# EAGLE board working (EAGLE 9.6.2), part 5 of 28 (continued)
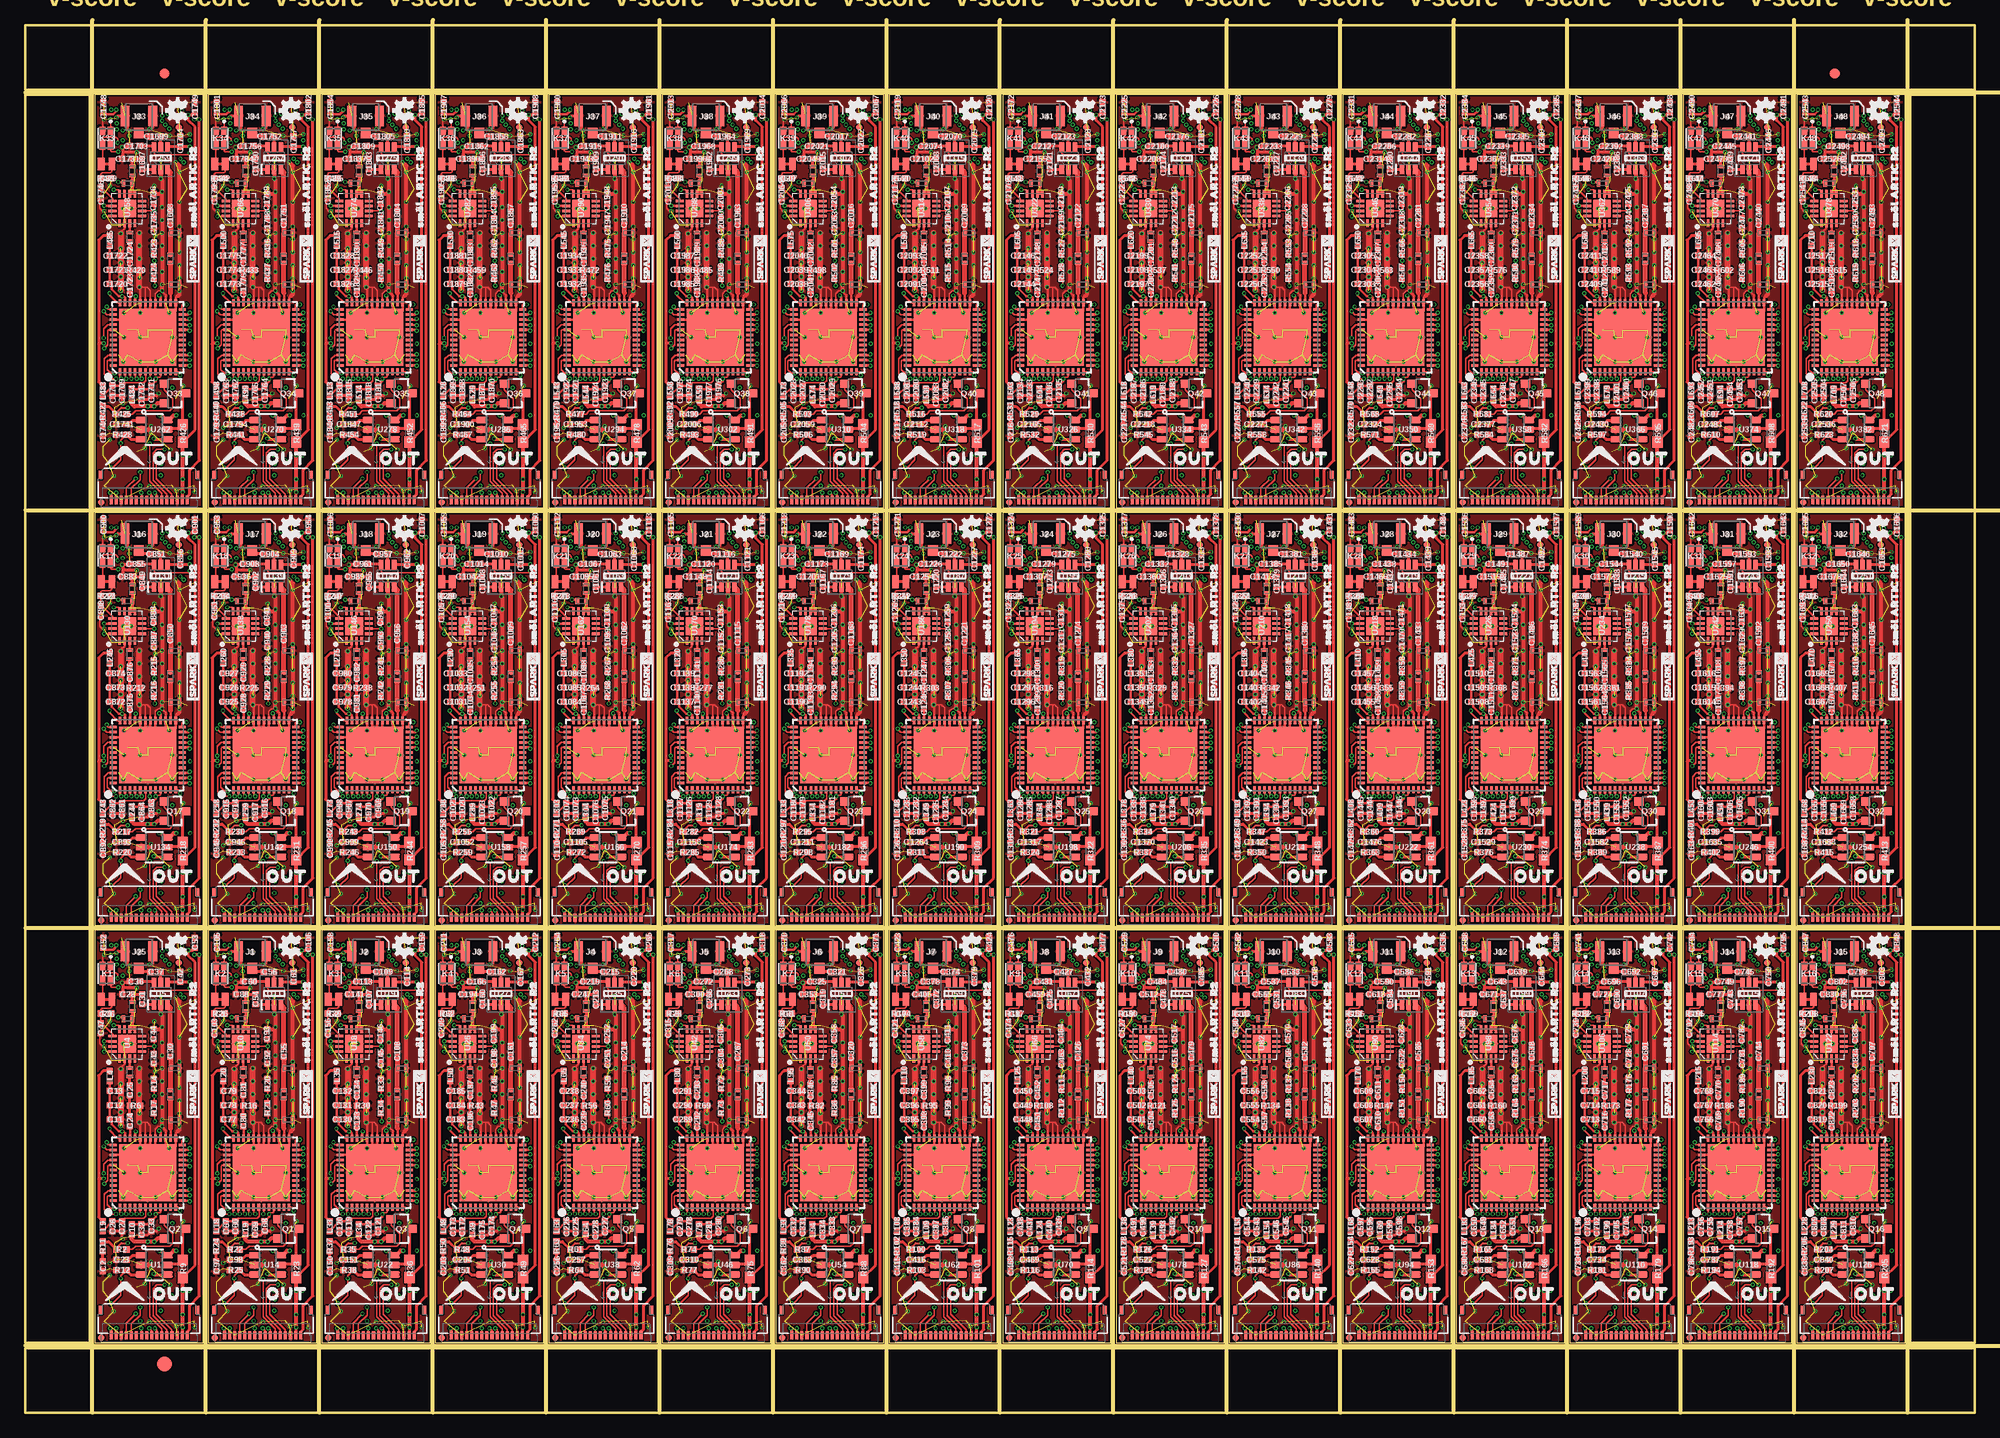
[diagram p0: board, top side]
## Placement (x,y rotation side) (continued)
R114  0.1  [0603]  104.9,14.16 270 top
R115  100  [0402-TIGHT]  97.03,16.38 270 top
R116  10k  [0402-TIGHT]  98.87,14.03 180 top
R117  10k  [0402-TIGHT]  97.35,39.31 0 top
R118  100k  [0402-TIGHT]  110.55,18.8 0 bottom
R119  100k  [0402-TIGHT]  110.55,17.84 180 bottom
R120  33k  [0402-TIGHT]  108.28,21.4 270 bottom
R121  220  [0402-TIGHT]  111.38,30.23 180 top
R122  10k  [0402-TIGHT]  108.84,40.96 0 bottom
R123  3.9  [0402-TIGHT]  109.98,37.59 90 bottom
R124  470  [0402-TIGHT]  113.22,32.38 270 top
R125  47  [0402-TIGHT]  113.22,29.97 90 top
R126  100  [0402-TIGHT]  110.05,16.07 180 top
R127  0.1  [0603]  116.08,14.16 270 top
R128  100  [0402-TIGHT]  108.2,16.38 270 top
R129  10k  [0402-TIGHT]  110.05,14.03 180 top
R130  10k  [0402-TIGHT]  108.52,39.31 0 top
R131  100k  [0402-TIGHT]  121.73,18.8 0 bottom
R132  100k  [0402-TIGHT]  121.73,17.84 180 bottom
R133  33k  [0402-TIGHT]  119.46,21.4 270 bottom
R134  220  [0402-TIGHT]  122.56,30.23 180 top
R135  10k  [0402-TIGHT]  120.02,40.96 0 bottom
R136  3.9  [0402-TIGHT]  121.16,37.59 90 bottom
R137  470  [0402-TIGHT]  124.4,32.38 270 top
R138  47  [0402-TIGHT]  124.4,29.97 90 top
R139  100  [0402-TIGHT]  121.22,16.07 180 top
R140  0.1  [0603]  127.25,14.16 270 top
R141  100  [0402-TIGHT]  119.38,16.38 270 top
R142  10k  [0402-TIGHT]  121.22,14.03 180 top
R143  10k  [0402-TIGHT]  119.7,39.31 0 top
R144  100k  [0402-TIGHT]  132.91,18.8 0 bottom
R145  100k  [0402-TIGHT]  132.91,17.84 180 bottom
R146  33k  [0402-TIGHT]  130.63,21.4 270 bottom
R147  220  [0402-TIGHT]  133.73,30.23 180 top
R148  10k  [0402-TIGHT]  131.19,40.96 0 bottom
R149  3.9  [0402-TIGHT]  132.33,37.59 90 bottom
R150  470  [0402-TIGHT]  135.57,32.38 270 top
R151  47  [0402-TIGHT]  135.57,29.97 90 top
R152  100  [0402-TIGHT]  132.4,16.07 180 top
R153  0.1  [0603]  138.43,14.16 270 top
R154  100  [0402-TIGHT]  130.56,16.38 270 top
R155  10k  [0402-TIGHT]  132.4,14.03 180 top
R156  10k  [0402-TIGHT]  130.87,39.31 0 top
R157  100k  [0402-TIGHT]  144.08,18.8 0 bottom
R158  100k  [0402-TIGHT]  144.08,17.84 180 bottom
R159  33k  [0402-TIGHT]  141.81,21.4 270 bottom
R160  220  [0402-TIGHT]  144.91,30.23 180 top
R161  10k  [0402-TIGHT]  142.37,40.96 0 bottom
R162  3.9  [0402-TIGHT]  143.51,37.59 90 bottom
R163  470  [0402-TIGHT]  146.75,32.38 270 top
R164  47  [0402-TIGHT]  146.75,29.97 90 top
R165  100  [0402-TIGHT]  143.57,16.07 180 top
R166  0.1  [0603]  149.61,14.16 270 top
R167  100  [0402-TIGHT]  141.73,16.38 270 top
R168  10k  [0402-TIGHT]  143.57,14.03 180 top
R169  10k  [0402-TIGHT]  142.05,39.31 0 top
R170  100k  [0402-TIGHT]  155.26,18.8 0 bottom
R171  100k  [0402-TIGHT]  155.26,17.84 180 bottom
R172  33k  [0402-TIGHT]  152.98,21.4 270 bottom
R173  220  [0402-TIGHT]  156.08,30.23 180 top
R174  10k  [0402-TIGHT]  153.54,40.96 0 bottom
R175  3.9  [0402-TIGHT]  154.69,37.59 90 bottom
R176  470  [0402-TIGHT]  157.92,32.38 270 top
R177  47  [0402-TIGHT]  157.92,29.97 90 top
R178  100  [0402-TIGHT]  154.75,16.07 180 top
R179  0.1  [0603]  160.78,14.16 270 top
R180  100  [0402-TIGHT]  152.91,16.38 270 top
R181  10k  [0402-TIGHT]  154.75,14.03 180 top
R182  10k  [0402-TIGHT]  153.23,39.31 0 top
R183  100k  [0402-TIGHT]  166.43,18.8 0 bottom
R184  100k  [0402-TIGHT]  166.43,17.84 180 bottom
R185  33k  [0402-TIGHT]  164.16,21.4 270 bottom
R186  220  [0402-TIGHT]  167.26,30.23 180 top
R187  10k  [0402-TIGHT]  164.72,40.96 0 bottom
R188  3.9  [0402-TIGHT]  165.86,37.59 90 bottom
R189  470  [0402-TIGHT]  169.1,32.38 270 top
R190  47  [0402-TIGHT]  169.1,29.97 90 top
R191  100  [0402-TIGHT]  165.93,16.07 180 top
R192  0.1  [0603]  171.96,14.16 270 top
R193  100  [0402-TIGHT]  164.08,16.38 270 top
R194  10k  [0402-TIGHT]  165.93,14.03 180 top
R195  10k  [0402-TIGHT]  164.4,39.31 0 top
R196  100k  [0402-TIGHT]  177.61,18.8 0 bottom
R197  100k  [0402-TIGHT]  177.61,17.84 180 bottom
R198  33k  [0402-TIGHT]  175.34,21.4 270 bottom
R199  220  [0402-TIGHT]  178.44,30.23 180 top
R200  10k  [0402-TIGHT]  175.9,40.96 0 bottom
R201  3.9  [0402-TIGHT]  177.04,37.59 90 bottom
R202  470  [0402-TIGHT]  180.28,32.38 270 top
R203  47  [0402-TIGHT]  180.28,29.97 90 top
R204  100  [0402-TIGHT]  177.1,16.07 180 top
R205  0.1  [0603]  183.13,14.16 270 top
R206  100  [0402-TIGHT]  175.26,16.38 270 top
R207  10k  [0402-TIGHT]  177.1,14.03 180 top
R208  10k  [0402-TIGHT]  175.58,39.31 0 top
R209  100k  [0402-TIGHT]  9.97,59.94 0 bottom
R210  100k  [0402-TIGHT]  9.97,58.99 180 bottom
R211  33k  [0402-TIGHT]  7.7,62.55 270 bottom
R212  220  [0402-TIGHT]  10.79,71.37 180 top
R213  10k  [0402-TIGHT]  8.25,82.11 0 bottom
R214  3.9  [0402-TIGHT]  9.4,78.74 90 bottom
R215  470  [0402-TIGHT]  12.64,73.53 270 top
R216  47  [0402-TIGHT]  12.64,71.12 90 top
R217  100  [0402-TIGHT]  9.46,57.21 180 top
R218  0.1  [0603]  15.49,55.31 270 top
R219  100  [0402-TIGHT]  7.62,57.53 270 top
R220  10k  [0402-TIGHT]  9.46,55.18 180 top
R221  10k  [0402-TIGHT]  7.94,80.45 0 top
R222  100k  [0402-TIGHT]  21.15,59.94 0 bottom
R223  100k  [0402-TIGHT]  21.15,58.99 180 bottom
R224  33k  [0402-TIGHT]  18.87,62.55 270 bottom
R225  220  [0402-TIGHT]  21.97,71.37 180 top
R226  10k  [0402-TIGHT]  19.43,82.11 0 bottom
R227  3.9  [0402-TIGHT]  20.57,78.74 90 bottom
R228  470  [0402-TIGHT]  23.81,73.53 270 top
R229  47  [0402-TIGHT]  23.81,71.12 90 top
R230  100  [0402-TIGHT]  20.64,57.21 180 top
R231  0.1  [0603]  26.67,55.31 270 top
R232  100  [0402-TIGHT]  18.8,57.53 270 top
R233  10k  [0402-TIGHT]  20.64,55.18 180 top
R234  10k  [0402-TIGHT]  19.11,80.45 0 top
R235  100k  [0402-TIGHT]  32.32,59.94 0 bottom
R236  100k  [0402-TIGHT]  32.32,58.99 180 bottom
R237  33k  [0402-TIGHT]  30.05,62.55 270 bottom
R238  220  [0402-TIGHT]  33.15,71.37 180 top
R239  10k  [0402-TIGHT]  30.61,82.11 0 bottom
R240  3.9  [0402-TIGHT]  31.75,78.74 90 bottom
R241  470  [0402-TIGHT]  34.99,73.53 270 top
R242  47  [0402-TIGHT]  34.99,71.12 90 top
R243  100  [0402-TIGHT]  31.81,57.21 180 top
R244  0.1  [0603]  37.85,55.31 270 top
R245  100  [0402-TIGHT]  29.97,57.53 270 top
R246  10k  [0402-TIGHT]  31.81,55.18 180 top
R247  10k  [0402-TIGHT]  30.29,80.45 0 top
R248  100k  [0402-TIGHT]  43.5,59.94 0 bottom
R249  100k  [0402-TIGHT]  43.5,58.99 180 bottom
R250  33k  [0402-TIGHT]  41.22,62.55 270 bottom
R251  220  [0402-TIGHT]  44.32,71.37 180 top
R252  10k  [0402-TIGHT]  41.78,82.11 0 bottom
R253  3.9  [0402-TIGHT]  42.93,78.74 90 bottom
R254  470  [0402-TIGHT]  46.16,73.53 270 top
R255  47  [0402-TIGHT]  46.16,71.12 90 top
R256  100  [0402-TIGHT]  42.99,57.21 180 top
R257  0.1  [0603]  49.02,55.31 270 top
R258  100  [0402-TIGHT]  41.15,57.53 270 top
R259  10k  [0402-TIGHT]  42.99,55.18 180 top
R260  10k  [0402-TIGHT]  41.47,80.45 0 top
R261  100k  [0402-TIGHT]  54.67,59.94 0 bottom
R262  100k  [0402-TIGHT]  54.67,58.99 180 bottom
R263  33k  [0402-TIGHT]  52.4,62.55 270 bottom
R264  220  [0402-TIGHT]  55.5,71.37 180 top
R265  10k  [0402-TIGHT]  52.96,82.11 0 bottom
R266  3.9  [0402-TIGHT]  54.1,78.74 90 bottom
R267  470  [0402-TIGHT]  57.34,73.53 270 top
R268  47  [0402-TIGHT]  57.34,71.12 90 top
R269  100  [0402-TIGHT]  54.17,57.21 180 top
R270  0.1  [0603]  60.2,55.31 270 top
R271  100  [0402-TIGHT]  52.32,57.53 270 top
R272  10k  [0402-TIGHT]  54.17,55.18 180 top
R273  10k  [0402-TIGHT]  52.64,80.45 0 top
R274  100k  [0402-TIGHT]  65.85,59.94 0 bottom
R275  100k  [0402-TIGHT]  65.85,58.99 180 bottom
R276  33k  [0402-TIGHT]  63.58,62.55 270 bottom
R277  220  [0402-TIGHT]  66.67,71.37 180 top
R278  10k  [0402-TIGHT]  64.14,82.11 0 bottom
R279  3.9  [0402-TIGHT]  65.28,78.74 90 bottom
R280  470  [0402-TIGHT]  68.52,73.53 270 top
R281  47  [0402-TIGHT]  68.52,71.12 90 top
R282  100  [0402-TIGHT]  65.34,57.21 180 top
R283  0.1  [0603]  71.37,55.31 270 top
R284  100  [0402-TIGHT]  63.5,57.53 270 top
R285  10k  [0402-TIGHT]  65.34,55.18 180 top
R286  10k  [0402-TIGHT]  63.82,80.45 0 top
R287  100k  [0402-TIGHT]  77.03,59.94 0 bottom
R288  100k  [0402-TIGHT]  77.03,58.99 180 bottom
R289  33k  [0402-TIGHT]  74.75,62.55 270 bottom
R290  220  [0402-TIGHT]  77.85,71.37 180 top
R291  10k  [0402-TIGHT]  75.31,82.11 0 bottom
R292  3.9  [0402-TIGHT]  76.45,78.74 90 bottom
R293  470  [0402-TIGHT]  79.69,73.53 270 top
R294  47  [0402-TIGHT]  79.69,71.12 90 top
R295  100  [0402-TIGHT]  76.52,57.21 180 top
R296  0.1  [0603]  82.55,55.31 270 top
R297  100  [0402-TIGHT]  74.68,57.53 270 top
R298  10k  [0402-TIGHT]  76.52,55.18 180 top
R299  10k  [0402-TIGHT]  74.99,80.45 0 top
R300  100k  [0402-TIGHT]  88.2,59.94 0 bottom
R301  100k  [0402-TIGHT]  88.2,58.99 180 bottom
R302  33k  [0402-TIGHT]  85.93,62.55 270 bottom
R303  220  [0402-TIGHT]  89.03,71.37 180 top
R304  10k  [0402-TIGHT]  86.49,82.11 0 bottom
R305  3.9  [0402-TIGHT]  87.63,78.74 90 bottom
R306  470  [0402-TIGHT]  90.87,73.53 270 top
R307  47  [0402-TIGHT]  90.87,71.12 90 top
R308  100  [0402-TIGHT]  87.69,57.21 180 top
R309  0.1  [0603]  93.73,55.31 270 top
R310  100  [0402-TIGHT]  85.85,57.53 270 top
R311  10k  [0402-TIGHT]  87.69,55.18 180 top
R312  10k  [0402-TIGHT]  86.17,80.45 0 top
R313  100k  [0402-TIGHT]  99.38,59.94 0 bottom
R314  100k  [0402-TIGHT]  99.38,58.99 180 bottom
R315  33k  [0402-TIGHT]  97.1,62.55 270 bottom
R316  220  [0402-TIGHT]  100.2,71.37 180 top
R317  10k  [0402-TIGHT]  97.66,82.11 0 bottom
R318  3.9  [0402-TIGHT]  98.81,78.74 90 bottom
R319  470  [0402-TIGHT]  102.04,73.53 270 top
R320  47  [0402-TIGHT]  102.04,71.12 90 top
R321  100  [0402-TIGHT]  98.87,57.21 180 top
R322  0.1  [0603]  104.9,55.31 270 top
R323  100  [0402-TIGHT]  97.03,57.53 270 top
R324  10k  [0402-TIGHT]  98.87,55.18 180 top
R325  10k  [0402-TIGHT]  97.35,80.45 0 top
R326  100k  [0402-TIGHT]  110.55,59.94 0 bottom
R327  100k  [0402-TIGHT]  110.55,58.99 180 bottom
R328  33k  [0402-TIGHT]  108.28,62.55 270 bottom
R329  220  [0402-TIGHT]  111.38,71.37 180 top
R330  10k  [0402-TIGHT]  108.84,82.11 0 bottom
R331  3.9  [0402-TIGHT]  109.98,78.74 90 bottom
R332  470  [0402-TIGHT]  113.22,73.53 270 top
R333  47  [0402-TIGHT]  113.22,71.12 90 top
R334  100  [0402-TIGHT]  110.05,57.21 180 top
R335  0.1  [0603]  116.08,55.31 270 top
R336  100  [0402-TIGHT]  108.2,57.53 270 top
R337  10k  [0402-TIGHT]  110.05,55.18 180 top
R338  10k  [0402-TIGHT]  108.52,80.45 0 top
R339  100k  [0402-TIGHT]  121.73,59.94 0 bottom
R340  100k  [0402-TIGHT]  121.73,58.99 180 bottom
R341  33k  [0402-TIGHT]  119.46,62.55 270 bottom
R342  220  [0402-TIGHT]  122.56,71.37 180 top
R343  10k  [0402-TIGHT]  120.02,82.11 0 bottom
R344  3.9  [0402-TIGHT]  121.16,78.74 90 bottom
R345  470  [0402-TIGHT]  124.4,73.53 270 top
R346  47  [0402-TIGHT]  124.4,71.12 90 top
R347  100  [0402-TIGHT]  121.22,57.21 180 top
R348  0.1  [0603]  127.25,55.31 270 top
R349  100  [0402-TIGHT]  119.38,57.53 270 top
R350  10k  [0402-TIGHT]  121.22,55.18 180 top
R351  10k  [0402-TIGHT]  119.7,80.45 0 top
R352  100k  [0402-TIGHT]  132.91,59.94 0 bottom
R353  100k  [0402-TIGHT]  132.91,58.99 180 bottom
R354  33k  [0402-TIGHT]  130.63,62.55 270 bottom
R355  220  [0402-TIGHT]  133.73,71.37 180 top
R356  10k  [0402-TIGHT]  131.19,82.11 0 bottom
R357  3.9  [0402-TIGHT]  132.33,78.74 90 bottom
R358  470  [0402-TIGHT]  135.57,73.53 270 top
R359  47  [0402-TIGHT]  135.57,71.12 90 top
R360  100  [0402-TIGHT]  132.4,57.21 180 top
R361  0.1  [0603]  138.43,55.31 270 top
R362  100  [0402-TIGHT]  130.56,57.53 270 top
R363  10k  [0402-TIGHT]  132.4,55.18 180 top
R364  10k  [0402-TIGHT]  130.87,80.45 0 top
R365  100k  [0402-TIGHT]  144.08,59.94 0 bottom
R366  100k  [0402-TIGHT]  144.08,58.99 180 bottom
R367  33k  [0402-TIGHT]  141.81,62.55 270 bottom
R368  220  [0402-TIGHT]  144.91,71.37 180 top
R369  10k  [0402-TIGHT]  142.37,82.11 0 bottom
R370  3.9  [0402-TIGHT]  143.51,78.74 90 bottom
R371  470  [0402-TIGHT]  146.75,73.53 270 top
R372  47  [0402-TIGHT]  146.75,71.12 90 top
R373  100  [0402-TIGHT]  143.57,57.21 180 top
R374  0.1  [0603]  149.61,55.31 270 top
R375  100  [0402-TIGHT]  141.73,57.53 270 top
R376  10k  [0402-TIGHT]  143.57,55.18 180 top
R377  10k  [0402-TIGHT]  142.05,80.45 0 top
R378  100k  [0402-TIGHT]  155.26,59.94 0 bottom
R379  100k  [0402-TIGHT]  155.26,58.99 180 bottom
R380  33k  [0402-TIGHT]  152.98,62.55 270 bottom
R381  220  [0402-TIGHT]  156.08,71.37 180 top
R382  10k  [0402-TIGHT]  153.54,82.11 0 bottom
R383  3.9  [0402-TIGHT]  154.69,78.74 90 bottom
R384  470  [0402-TIGHT]  157.92,73.53 270 top
R385  47  [0402-TIGHT]  157.92,71.12 90 top
R386  100  [0402-TIGHT]  154.75,57.21 180 top
R387  0.1  [0603]  160.78,55.31 270 top
R388  100  [0402-TIGHT]  152.91,57.53 270 top
R389  10k  [0402-TIGHT]  154.75,55.18 180 top
R390  10k  [0402-TIGHT]  153.23,80.45 0 top
R391  100k  [0402-TIGHT]  166.43,59.94 0 bottom
R392  100k  [0402-TIGHT]  166.43,58.99 180 bottom
R393  33k  [0402-TIGHT]  164.16,62.55 270 bottom
R394  220  [0402-TIGHT]  167.26,71.37 180 top
R395  10k  [0402-TIGHT]  164.72,82.11 0 bottom
R396  3.9  [0402-TIGHT]  165.86,78.74 90 bottom
R397  470  [0402-TIGHT]  169.1,73.53 270 top
R398  47  [0402-TIGHT]  169.1,71.12 90 top
R399  100  [0402-TIGHT]  165.93,57.21 180 top
R400  0.1  [0603]  171.96,55.31 270 top
R401  100  [0402-TIGHT]  164.08,57.53 270 top
R402  10k  [0402-TIGHT]  165.93,55.18 180 top
R403  10k  [0402-TIGHT]  164.4,80.45 0 top
R404  100k  [0402-TIGHT]  177.61,59.94 0 bottom
R405  100k  [0402-TIGHT]  177.61,58.99 180 bottom
R406  33k  [0402-TIGHT]  175.34,62.55 270 bottom
R407  220  [0402-TIGHT]  178.44,71.37 180 top
R408  10k  [0402-TIGHT]  175.9,82.11 0 bottom
R409  3.9  [0402-TIGHT]  177.04,78.74 90 bottom
R410  470  [0402-TIGHT]  180.28,73.53 270 top
R411  47  [0402-TIGHT]  180.28,71.12 90 top
R412  100  [0402-TIGHT]  177.1,57.21 180 top
R413  0.1  [0603]  183.13,55.31 270 top
R414  100  [0402-TIGHT]  175.26,57.53 270 top
R415  10k  [0402-TIGHT]  177.1,55.18 180 top
R416  10k  [0402-TIGHT]  175.58,80.45 0 top
R417  100k  [0402-TIGHT]  9.97,101.09 0 bottom
R418  100k  [0402-TIGHT]  9.97,100.14 180 bottom
R419  33k  [0402-TIGHT]  7.7,103.7 270 bottom
R420  220  [0402-TIGHT]  10.79,112.52 180 top
R421  10k  [0402-TIGHT]  8.25,123.25 0 bottom
R422  3.9  [0402-TIGHT]  9.4,119.89 90 bottom
R423  470  [0402-TIGHT]  12.64,114.68 270 top
R424  47  [0402-TIGHT]  12.64,112.27 90 top
R425  100  [0402-TIGHT]  9.46,98.36 180 top
R426  0.1  [0603]  15.49,96.46 270 top
R427  100  [0402-TIGHT]  7.62,98.68 270 top
R428  10k  [0402-TIGHT]  9.46,96.33 180 top
R429  10k  [0402-TIGHT]  7.94,121.6 0 top
R430  100k  [0402-TIGHT]  21.15,101.09 0 bottom
R431  100k  [0402-TIGHT]  21.15,100.14 180 bottom
R432  33k  [0402-TIGHT]  18.87,103.7 270 bottom
R433  220  [0402-TIGHT]  21.97,112.52 180 top
R434  10k  [0402-TIGHT]  19.43,123.25 0 bottom
R435  3.9  [0402-TIGHT]  20.57,119.89 90 bottom
R436  470  [0402-TIGHT]  23.81,114.68 270 top
R437  47  [0402-TIGHT]  23.81,112.27 90 top
R438  100  [0402-TIGHT]  20.64,98.36 180 top
R439  0.1  [0603]  26.67,96.46 270 top
R440  100  [0402-TIGHT]  18.8,98.68 270 top
R441  10k  [0402-TIGHT]  20.64,96.33 180 top
R442  10k  [0402-TIGHT]  19.11,121.6 0 top
R443  100k  [0402-TIGHT]  32.32,101.09 0 bottom
R444  100k  [0402-TIGHT]  32.32,100.14 180 bottom
R445  33k  [0402-TIGHT]  30.05,103.7 270 bottom
R446  220  [0402-TIGHT]  33.15,112.52 180 top
R447  10k  [0402-TIGHT]  30.61,123.25 0 bottom
R448  3.9  [0402-TIGHT]  31.75,119.89 90 bottom
R449  470  [0402-TIGHT]  34.99,114.68 270 top
R450  47  [0402-TIGHT]  34.99,112.27 90 top
R451  100  [0402-TIGHT]  31.81,98.36 180 top
R452  0.1  [0603]  37.85,96.46 270 top
R453  100  [0402-TIGHT]  29.97,98.68 270 top
R454  10k  [0402-TIGHT]  31.81,96.33 180 top
R455  10k  [0402-TIGHT]  30.29,121.6 0 top
R456  100k  [0402-TIGHT]  43.5,101.09 0 bottom
R457  100k  [0402-TIGHT]  43.5,100.14 180 bottom
R458  33k  [0402-TIGHT]  41.22,103.7 270 bottom
R459  220  [0402-TIGHT]  44.32,112.52 180 top
R460  10k  [0402-TIGHT]  41.78,123.25 0 bottom
R461  3.9  [0402-TIGHT]  42.93,119.89 90 bottom
R462  470  [0402-TIGHT]  46.16,114.68 270 top
R463  47  [0402-TIGHT]  46.16,112.27 90 top
R464  100  [0402-TIGHT]  42.99,98.36 180 top
R465  0.1  [0603]  49.02,96.46 270 top
R466  100  [0402-TIGHT]  41.15,98.68 270 top
R467  10k  [0402-TIGHT]  42.99,96.33 180 top
R468  10k  [0402-TIGHT]  41.47,121.6 0 top
R469  100k  [0402-TIGHT]  54.67,101.09 0 bottom
R470  100k  [0402-TIGHT]  54.67,100.14 180 bottom
R471  33k  [0402-TIGHT]  52.4,103.7 270 bottom
R472  220  [0402-TIGHT]  55.5,112.52 180 top
R473  10k  [0402-TIGHT]  52.96,123.25 0 bottom
R474  3.9  [0402-TIGHT]  54.1,119.89 90 bottom
R475  470  [0402-TIGHT]  57.34,114.68 270 top
R476  47  [0402-TIGHT]  57.34,112.27 90 top
R477  100  [0402-TIGHT]  54.17,98.36 180 top
R478  0.1  [0603]  60.2,96.46 270 top
R479  100  [0402-TIGHT]  52.32,98.68 270 top
R480  10k  [0402-TIGHT]  54.17,96.33 180 top
R481  10k  [0402-TIGHT]  52.64,121.6 0 top
R482  100k  [0402-TIGHT]  65.85,101.09 0 bottom
R483  100k  [0402-TIGHT]  65.85,100.14 180 bottom
R484  33k  [0402-TIGHT]  63.58,103.7 270 bottom
R485  220  [0402-TIGHT]  66.67,112.52 180 top
R486  10k  [0402-TIGHT]  64.14,123.25 0 bottom
R487  3.9  [0402-TIGHT]  65.28,119.89 90 bottom
R488  470  [0402-TIGHT]  68.52,114.68 270 top
R489  47  [0402-TIGHT]  68.52,112.27 90 top
R490  100  [0402-TIGHT]  65.34,98.36 180 top
R491  0.1  [0603]  71.37,96.46 270 top
R492  100  [0402-TIGHT]  63.5,98.68 270 top
R493  10k  [0402-TIGHT]  65.34,96.33 180 top
R494  10k  [0402-TIGHT]  63.82,121.6 0 top
R495  100k  [0402-TIGHT]  77.03,101.09 0 bottom
R496  100k  [0402-TIGHT]  77.03,100.14 180 bottom
R497  33k  [0402-TIGHT]  74.75,103.7 270 bottom
R498  220  [0402-TIGHT]  77.85,112.52 180 top
R499  10k  [0402-TIGHT]  75.31,123.25 0 bottom
R500  3.9  [0402-TIGHT]  76.45,119.89 90 bottom
R501  470  [0402-TIGHT]  79.69,114.68 270 top
R502  47  [0402-TIGHT]  79.69,112.27 90 top
R503  100  [0402-TIGHT]  76.52,98.36 180 top
R504  0.1  [0603]  82.55,96.46 270 top
R505  100  [0402-TIGHT]  74.68,98.68 270 top
R506  10k  [0402-TIGHT]  76.52,96.33 180 top
R507  10k  [0402-TIGHT]  74.99,121.6 0 top
R508  100k  [0402-TIGHT]  88.2,101.09 0 bottom
R509  100k  [0402-TIGHT]  88.2,100.14 180 bottom
R510  33k  [0402-TIGHT]  85.93,103.7 270 bottom
R511  220  [0402-TIGHT]  89.03,112.52 180 top
R512  10k  [0402-TIGHT]  86.49,123.25 0 bottom
R513  3.9  [0402-TIGHT]  87.63,119.89 90 bottom
R514  470  [0402-TIGHT]  90.87,114.68 270 top
R515  47  [0402-TIGHT]  90.87,112.27 90 top
R516  100  [0402-TIGHT]  87.69,98.36 180 top
R517  0.1  [0603]  93.73,96.46 270 top
R518  100  [0402-TIGHT]  85.85,98.68 270 top
R519  10k  [0402-TIGHT]  87.69,96.33 180 top
R520  10k  [0402-TIGHT]  86.17,121.6 0 top
R521  100k  [0402-TIGHT]  99.38,101.09 0 bottom
R522  100k  [0402-TIGHT]  99.38,100.14 180 bottom
R523  33k  [0402-TIGHT]  97.1,103.7 270 bottom
R524  220  [0402-TIGHT]  100.2,112.52 180 top
R525  10k  [0402-TIGHT]  97.66,123.25 0 bottom
R526  3.9  [0402-TIGHT]  98.81,119.89 90 bottom
R527  470  [0402-TIGHT]  102.04,114.68 270 top
R528  47  [0402-TIGHT]  102.04,112.27 90 top
R529  100  [0402-TIGHT]  98.87,98.36 180 top
R530  0.1  [0603]  104.9,96.46 270 top
R531  100  [0402-TIGHT]  97.03,98.68 270 top
R532  10k  [0402-TIGHT]  98.87,96.33 180 top
R533  10k  [0402-TIGHT]  97.35,121.6 0 top
R534  100k  [0402-TIGHT]  110.55,101.09 0 bottom
R535  100k  [0402-TIGHT]  110.55,100.14 180 bottom
R536  33k  [0402-TIGHT]  108.28,103.7 270 bottom
R537  220  [0402-TIGHT]  111.38,112.52 180 top
R538  10k  [0402-TIGHT]  108.84,123.25 0 bottom
R539  3.9  [0402-TIGHT]  109.98,119.89 90 bottom
R540  470  [0402-TIGHT]  113.22,114.68 270 top
R541  47  [0402-TIGHT]  113.22,112.27 90 top
R542  100  [0402-TIGHT]  110.05,98.36 180 top
R543  0.1  [0603]  116.08,96.46 270 top
R544  100  [0402-TIGHT]  108.2,98.68 270 top
R545  10k  [0402-TIGHT]  110.05,96.33 180 top
R546  10k  [0402-TIGHT]  108.52,121.6 0 top
R547  100k  [0402-TIGHT]  121.73,101.09 0 bottom
R548  100k  [0402-TIGHT]  121.73,100.14 180 bottom
R549  33k  [0402-TIGHT]  119.46,103.7 270 bottom
R550  220  [0402-TIGHT]  122.56,112.52 180 top
R551  10k  [0402-TIGHT]  120.02,123.25 0 bottom
R552  3.9  [0402-TIGHT]  121.16,119.89 90 bottom
R553  470  [0402-TIGHT]  124.4,114.68 270 top
R554  47  [0402-TIGHT]  124.4,112.27 90 top
R555  100  [0402-TIGHT]  121.22,98.36 180 top
R556  0.1  [0603]  127.25,96.46 270 top
R557  100  [0402-TIGHT]  119.38,98.68 270 top
R558  10k  [0402-TIGHT]  121.22,96.33 180 top
R559  10k  [0402-TIGHT]  119.7,121.6 0 top
R560  100k  [0402-TIGHT]  132.91,101.09 0 bottom
R561  100k  [0402-TIGHT]  132.91,100.14 180 bottom
R562  33k  [0402-TIGHT]  130.63,103.7 270 bottom
R563  220  [0402-TIGHT]  133.73,112.52 180 top
R564  10k  [0402-TIGHT]  131.19,123.25 0 bottom
R565  3.9  [0402-TIGHT]  132.33,119.89 90 bottom
R566  470  [0402-TIGHT]  135.57,114.68 270 top
R567  47  [0402-TIGHT]  135.57,112.27 90 top
R568  100  [0402-TIGHT]  132.4,98.36 180 top
R569  0.1  [0603]  138.43,96.46 270 top
R570  100  [0402-TIGHT]  130.56,98.68 270 top
R571  10k  [0402-TIGHT]  132.4,96.33 180 top
R572  10k  [0402-TIGHT]  130.87,121.6 0 top
R573  100k  [0402-TIGHT]  144.08,101.09 0 bottom
R574  100k  [0402-TIGHT]  144.08,100.14 180 bottom
R575  33k  [0402-TIGHT]  141.81,103.7 270 bottom
R576  220  [0402-TIGHT]  144.91,112.52 180 top
R577  10k  [0402-TIGHT]  142.37,123.25 0 bottom
R578  3.9  [0402-TIGHT]  143.51,119.89 90 bottom
R579  470  [0402-TIGHT]  146.75,114.68 270 top
R580  47  [0402-TIGHT]  146.75,112.27 90 top
R581  100  [0402-TIGHT]  143.57,98.36 180 top
R582  0.1  [0603]  149.61,96.46 270 top
R583  100  [0402-TIGHT]  141.73,98.68 270 top
R584  10k  [0402-TIGHT]  143.57,96.33 180 top
R585  10k  [0402-TIGHT]  142.05,121.6 0 top
R586  100k  [0402-TIGHT]  155.26,101.09 0 bottom
R587  100k  [0402-TIGHT]  155.26,100.14 180 bottom
R588  33k  [0402-TIGHT]  152.98,103.7 270 bottom
R589  220  [0402-TIGHT]  156.08,112.52 180 top
R590  10k  [0402-TIGHT]  153.54,123.25 0 bottom
R591  3.9  [0402-TIGHT]  154.69,119.89 90 bottom
R592  470  [0402-TIGHT]  157.92,114.68 270 top
R593  47  [0402-TIGHT]  157.92,112.27 90 top
R594  100  [0402-TIGHT]  154.75,98.36 180 top
R595  0.1  [0603]  160.78,96.46 270 top
R596  100  [0402-TIGHT]  152.91,98.68 270 top
R597  10k  [0402-TIGHT]  154.75,96.33 180 top
R598  10k  [0402-TIGHT]  153.23,121.6 0 top
R599  100k  [0402-TIGHT]  166.43,101.09 0 bottom
R600  100k  [0402-TIGHT]  166.43,100.14 180 bottom
R601  33k  [0402-TIGHT]  164.16,103.7 270 bottom
R602  220  [0402-TIGHT]  167.26,112.52 180 top
R603  10k  [0402-TIGHT]  164.72,123.25 0 bottom
R604  3.9  [0402-TIGHT]  165.86,119.89 90 bottom
R605  470  [0402-TIGHT]  169.1,114.68 270 top
R606  47  [0402-TIGHT]  169.1,112.27 90 top
R607  100  [0402-TIGHT]  165.93,98.36 180 top
R608  0.1  [0603]  171.96,96.46 270 top
R609  100  [0402-TIGHT]  164.08,98.68 270 top
R610  10k  [0402-TIGHT]  165.93,96.33 180 top
R611  10k  [0402-TIGHT]  164.4,121.6 0 top
R612  100k  [0402-TIGHT]  177.61,101.09 0 bottom
R613  100k  [0402-TIGHT]  177.61,100.14 180 bottom
R614  33k  [0402-TIGHT]  175.34,103.7 270 bottom
R615  220  [0402-TIGHT]  178.44,112.52 180 top
R616  10k  [0402-TIGHT]  175.9,123.25 0 bottom
R617  3.9  [0402-TIGHT]  177.04,119.89 90 bottom
R618  470  [0402-TIGHT]  180.28,114.68 270 top
R619  47  [0402-TIGHT]  180.28,112.27 90 top
R620  100  [0402-TIGHT]  177.1,98.36 180 top
R621  0.1  [0603]  183.13,96.46 270 top
R622  100  [0402-TIGHT]  175.26,98.68 270 top
R623  10k  [0402-TIGHT]  177.1,96.33 180 top
R624  10k  [0402-TIGHT]  175.58,121.6 0 top
U1  ADM4210_1TSOT6  [TSOT6]  12.7,14.54 270 top
U2  1.8V/100mA  [SC70]  8.25,14.99 0 bottom
U3  ARTIC_R2  [QFN-48]  12.06,23.62 90 top
U4  RFPA0133  [QFN50P300X300X86-17N]  10.03,36.32 90 top
U5  AS179-92LF  [SOT65P220X100-6N]  13.34,41.27 90 top
U6  3.0V  [SOT23-5]  15.94,36.96 180 bottom
U7  SST25VF020BUSON  [USON_3X2MM]  14.86,19.43 0 bottom
U8  PCA9536  [MSOP8]  12.19,10.03 0 bottom
U9  ARTIC_R2  [QFN-48]  23.24,23.62 90 top
U10  RFPA0133  [QFN50P300X300X86-17N]  21.21,36.32 90 top
U11  AS179-92LF  [SOT65P220X100-6N]  24.51,41.27 90 top
U12  1.8V/100mA  [SC70]  19.43,14.99 0 bottom
U13  3.0V  [SOT23-5]  27.11,36.96 180 bottom
U14  ADM4210_1TSOT6  [TSOT6]  23.88,14.54 270 top
U15  SST25VF020BUSON  [USON_3X2MM]  26.04,19.43 0 bottom
U16  PCA9536  [MSOP8]  23.37,10.03 0 bottom
U17  ARTIC_R2  [QFN-48]  34.42,23.62 90 top
U18  RFPA0133  [QFN50P300X300X86-17N]  32.38,36.32 90 top
U19  AS179-92LF  [SOT65P220X100-6N]  35.69,41.27 90 top
U20  1.8V/100mA  [SC70]  30.61,14.99 0 bottom
U21  3.0V  [SOT23-5]  38.29,36.96 180 bottom
U22  ADM4210_1TSOT6  [TSOT6]  35.05,14.54 270 top
U23  SST25VF020BUSON  [USON_3X2MM]  37.21,19.43 0 bottom
U24  PCA9536  [MSOP8]  34.54,10.03 0 bottom
U25  ARTIC_R2  [QFN-48]  45.59,23.62 90 top
U26  RFPA0133  [QFN50P300X300X86-17N]  43.56,36.32 90 top
U27  AS179-92LF  [SOT65P220X100-6N]  46.86,41.27 90 top
U28  1.8V/100mA  [SC70]  41.78,14.99 0 bottom
U29  3.0V  [SOT23-5]  49.47,36.96 180 bottom
U30  ADM4210_1TSOT6  [TSOT6]  46.23,14.54 270 top